# KiCad board cm4-baseboard.kicad_pcb (continued)
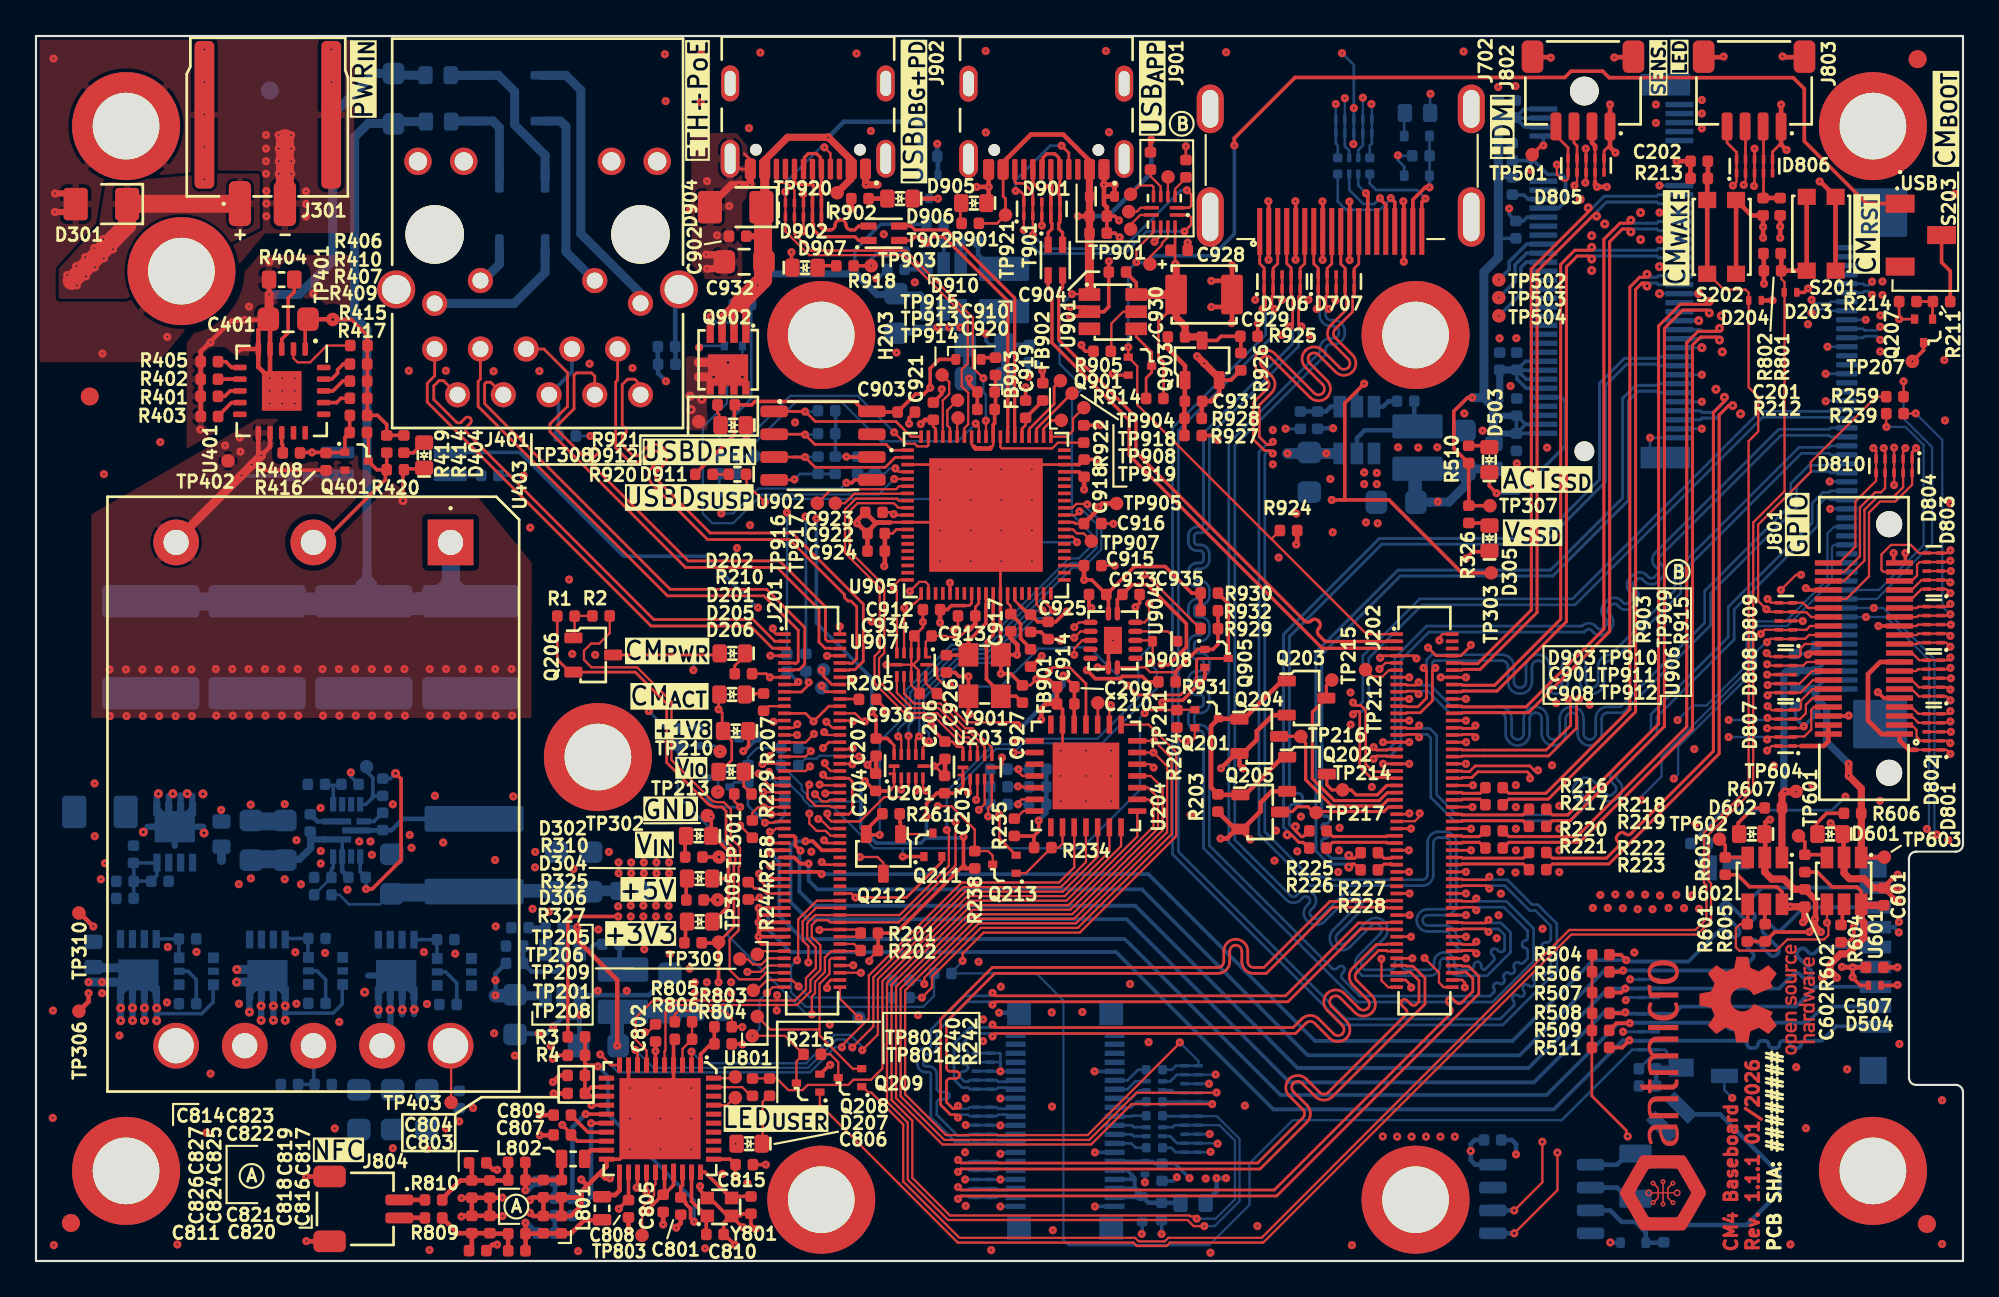
[diagram p0: board, top side]
## Routing (per net, layer and track width the routed paths; a pad name or vN(x,y) marks a point on that pad's centre or on a via; arc(x,y) is an arc through that point) (continued)
/Compute module/SDIO.D3: length 73.8
  Top w0.21: J201.61 40.96,22.8 v1(40.79,22.63) ; 87.36,12.8 87.76,13.2 v1(88.5,13.2)
  Bottom w0.21: v1(40.79,22.63) 41.27,22.14 41.27,19.15 42.55,17.87 60.45,17.87 69.11,9.22 83.88,9.22 87.85,13.18 88.48,13.18 v1(88.5,13.2) 88.52,13.22 93.04,13.22 arc(93.17,13.28) 93.22,13.41 arc(93.27,13.53) 93.4,13.59 93.75,13.59 arc(93.88,13.53) 93.93,13.41 93.93,13.04 arc(93.98,12.92) 94.11,12.87 94.46,12.87 arc(94.59,12.92) 94.64,13.04 arc(94.69,13.17) 94.82,13.22 98.35,13.22 99.25,14.13 J502.2
/Compute module/SYNC_IN: length 1.5
  Top w0.15: TP203.1 43.73,32.45 44.19,32 J201.16
  vias: v1(43.62,32.8)
/Compute module/SYNC_OUT: length 1.1
  Top w0.15: J201.18 43.85,31.6 TP204.1
  vias: v1(43.62,31.92)
/Compute module/T1_N: length 2
  Top w0.17: J202.48 79.16,25.6 79.2,25.64 80.18,25.64 80.49,25.32
/Compute module/T1_P: length 2
  Top w0.17: 80.49,26.28 80.18,25.96 79.98,25.96 79.2,25.96 79.16,26 J202.46
/Compute module/T2_N: length 2
  Top w0.17: 80.13,23.24 79.2,23.24 79.16,23.2 J202.60 ; 80.14,23.24 80.45,22.92
/Compute module/T2_P: length 2
  Top w0.17: J202.58 79.16,23.6 79.2,23.56 80.14,23.56 80.45,23.88
/Compute module/T3_N: length 1.2
  Top w0.17: J202.63 75.31,22.4 75.27,22.36 75.09,22.36 75.08,22.35 74.85,22.35 74.54,22.66 R227.1
/Compute module/T3_P: length 1.2
  Top w0.17: J202.65 75.31,22 75.27,22.04 75.21,22.04 75.2,22.03 74.85,22.03 74.54,21.72 R228.1
/Compute module/UART.0.RX: length 21.7
  Top w0.127: U905.8 47.91,42.21 47.8,42.32 45.52,42.32 44.92,41.72 44.92,39.3 46.85,37.38 46.85,33.85 46.56,33.57 46.56,32.07 48.47,30.16 49.94,30.16 51.29,28.81 51.69,28.81 51.87,28.63 U203.10
/Compute module/UART.0.TX: length 21.4
  Top w0.127: U203.9 52.27,28.58 51.79,29.07 51.4,29.07 50.05,30.42 48.57,30.42 46.81,32.18 46.81,33.46 47.1,33.75 47.1,37.48 45.17,39.41 45.17,41.62 45.63,42.07 47.63,42.07 47.89,41.81 U905.9
/Compute module/UART.1.RX: length 7.5
  Top w0.127: U203.8 52.67,28.54 51.9,29.32 51.5,29.32 50.12,30.7 48.65,30.7 47.8,31.54 U907.7
/Compute module/UART.1.TX: length 7.5
  Top w0.127: U203.7 53.08,28.49 52,29.57 51.6,29.57 50.23,30.95 48.75,30.95 48.2,31.5 U907.8
/Compute module/UART.2.RX: length 13.2
  Top w0.127: U905.36 55.55,36.45 v1(55.89,36.11) ; v1(49.03,29.13) 49.03,29.13 48.85,28.95 U201.8
  Bottom w0.127: v1(55.89,36.11) 55.53,36.11 52.87,33.45 51.15,33.45 49.05,31.35 49.05,29.15 49.03,29.14 v1(49.03,29.13)
/Compute module/UART.2.TX: length 13.8
  Top w0.127: v1(49.58,28.85) 49.25,28.52 U201.7 ; v1(56.46,36.13) 56.46,36.13 55.95,36.63 U905.37
  Bottom w0.127: v1(49.58,28.85) 49.58,29.3 49.3,29.58 49.3,31.25 51.25,33.2 52.98,33.2 55.45,35.67 56.09,35.67 56.46,36.04 v1(56.46,36.13)
/Compute module/UART.3.RX: length 21
  Top w0.127: v1(47.88,29.12) 48.05,28.95 U201.10 ; v1(57.94,41.61) 57.73,41.41 U905.48
  Bottom w0.127: v1(57.94,41.61) 58.19,41.61 58.9,40.9 58.9,39.6 58.05,38.75 57.45,38.75 52.66,33.96 50.94,33.96 48.54,31.56 48.54,30.19 47.88,29.52 v1(47.88,29.12)
/Compute module/UART.3.TX: length 21.4
  Top w0.127: v1(58.38,42) 58.35,42.03 57.77,42.03 57.55,41.81 U905.49 ; U201.9 v1(48.45,29.15)
  Bottom w0.127: v1(58.38,42) 58.38,41.78 59.15,41.01 59.15,39.49 58.15,38.49 57.56,38.49 52.77,33.7 51.04,33.7 48.8,31.46 48.8,30.08 48.45,29.74 v1(48.45,29.15)
/Compute module/USB.D_N: length 31.7
  Top w0.182: 75.01,34.39 75.02,34.4 J202.3 75.03,34.4 75.02,34.39 71.58,34.39 71.23,34.73 arc(71.15,34.93) 71.23,35.12 arc(71.31,35.32) 71.23,35.51 71.2,35.55 arc(71,35.63) 70.81,35.55 arc(70.62,35.47) 70.42,35.55 61.08,44.89 61.08,46.84 56.79,51.13 56.79,53.83 57,54.04 T901.3
/Compute module/USB.D_P: length 31.1
  Top w0.182: T901.2 56.2,54.04 56.41,53.83 56.41,50.97 60.7,46.68 60.7,44.73 71.42,34.01 75.02,34.01 75.03,34 J202.5
/Compute module/USB.OTGID: length 85.7
  Top w0.127: 68.61,40.06 68.61,40.09 R924.2 ; 68.61,40.06 61.15,47.53 61.15,49.68 Q901.1 ; 68.61,40.06 73.88,34.8 J202.1 ; v1(61.1,55.45) 61.1,56.15 62.05,57.11 62.05,57.44
  Top w0.15: Q901.1 v1(60.65,50.72)
  Top w0.2: S203.1 101.65,58.7 98.19,62.16 98.19,65.07 97.57,65.69 87.35,65.69 86.99,66.05 85.24,66.05 84.89,65.7 69.91,65.7 66.54,62.33 v1(66.54,61.93)
  Bottom w0.15: v1(61.1,55.45) 60.65,55 v1(60.65,50.72)
  Bottom w0.2: v1(61.1,55.45) 61.12,55.42 61.7,55.42 62.07,55.8 65.32,55.8 66.54,57.02 v1(66.54,61.93)
/Compute module/USBA_VBUS: length 66.7
  Top w0.127: v1(57.52,53.67) 58.47,53.67
  Top w0.15: J901.A9 53.7,59.1 53.83,58.97 TP921.1 53.37,57.6 52.36,57.6
  Top w0.2: 46.15,23.65 v1(46.85,23.65) ; 46.99,24.82 46.1,23.94
  Top w0.254: J901.A4 58.5,61.08 57.05,62.53 55.24,62.53 53.7,60.99 ; 58.5,58 v1(57.85,58) ; R903.1 61.88,62.2 v1(61.93,62.25)
  Top w0.4: 58.5,57.06 58.5,60.6
  Top w0.5: U901.1 58.49,57.06
  Bottom w0.127: v1(46.85,23.65) 46.85,28.85 48.29,30.29 48.29,31.67 50.83,34.21 52.56,34.21 57.35,39 57.9,39 58.65,39.75 58.65,40.33 57.78,41.2 57.77,41.2 57.52,41.44 57.52,47.86 58.15,48.49 56.84,49.8 56.84,52.99 v1(57.52,53.67)
  Bottom w0.254: v1(61.93,62.25) 61.93,60.41 59.52,58 v1(57.85,58)
/Compute module/VDAC_COMP: length 2
  Top w0.127: J202.11 75.12,32.8 74.77,32.45 74.2,32.45 TP212.1
/Compute module/WL_nDis: length 1.3
  Top w0.127: 40.23,17.2 J201.89
/Compute module/~{EEPROM_WP}: length 1
  Top w0.15: J201.20 45.67,31.2
/Compute module/~{POE EN}: length 43.1
  Top w0.15: v1(56.25,32.75) 56.45,32.95 57.4,32.95 58.3,32.05 U204.4
  In2.Cu w0.2: v1(56.25,32.75) 55.86,33.14 48.01,33.14 44.88,36.27 v1(40.09,36.27)
  Bottom w0.2: U402.1 26.86,44.88 32.62,39.12 37.17,39.12 40.03,36.27 v1(40.09,36.27)
/Compute module/~{PWR_LED}: length 29.5
  Top w0.127: J201.95 40.55,16 40.18,15.63 39.04,15.63 38.51,16.16 38.51,17.85 39.01,18.35 39.01,21.87 39.09,21.94 39.09,22.96 38.58,23.47 38.58,25.08 38.19,25.47 37.84,25.47 arc(37.64,25.51) 37.46,25.63 35.28,27.81 35.28,31.05 33.38,32.95 30.85,32.95 30.43,33.37 30.43,33.88 30.83,34.28 31.27,34.28 31.86,34.85 R2.1
/Compute module/~{RPi_BOOT}: length 107.8
  Top w0.127: v1(39.5,16.05) 40.24,16.05 40.59,16.4 J201.93
  Top w0.2: Q207.3 104.81,50.56 v1(104.19,49.94)
  In2.Cu w0.127: v1(104.19,49.94) 104.81,49.32 104.81,45.3 104.81,45.3 104.81,44.13 103.32,42.64 102.73,42.64 98.81,38.72 98.81,29.64 98.12,28.95 98.12,25.76 95.55,23.18 95.55,11.3 91.69,7.44 66,7.44 63.58,9.86 49.71,9.86 46.49,13.09 45.4,13.09 43.67,14.82 41.94,14.82 41.47,15.29 40.25,15.29 39.5,16.04 v1(39.5,16.05)
/Compute module/~{RPi_RST}: length 8.8
  Top w0.127: Q208.3 42.22,11.08 42.61,11.47 41.59,12.5 v1(39.77,12.5) ; J201.99 40.91,15.2 v1(40.58,14.88)
  Bottom w0.127: v1(40.58,14.88) 40.17,14.47 40.17,12.9 v1(39.77,12.5)
/CSI/CamCtrl.EN: length 57.1
  Top w0.127: v1(62.06,27.39) 61.88,27.57 U204.26 ; R601.2 94.63,18.7 94.39,18.46 94.39,17.42 94.58,17.23 96.63,17.23 97.25,17.85 99.28,17.85 99.53,18.09 99.53,18.7 v1(99.45,18.78) 99.45,19.8
  Top w0.2: U602.4 95.05,18.73
  In2.Cu w0.127: v1(62.06,27.39) 62.06,25.23 71.43,15.86 81.07,15.86 v1(83.66,18.44)
  In3.Cu w0.127: v1(83.66,18.44) 84,18.79 95.6,18.79 96.63,17.76 99.21,17.76 99.53,18.07 99.53,18.43 99.45,18.51 v1(99.45,18.78)
/CSI/CamCtrl.VSYNC0: length 83.6
  Top w0.127: U204.27 v1(62.05,28.22) 62.81,27.47 62.81,23.8 57.75,18.74 52.36,18.74 52.33,18.72 52.32,18.72 49.33,15.72 v1(49.33,15.38)
  In2.Cu w0.127: v1(91.15,30.03) 91.15,27.74 89.69,26.28 89.69,25.43 84.88,20.62 84.88,20.36 80.63,16.11 71.54,16.11 62.53,25.12 62.53,27.75 v1(62.05,28.22)
  Bottom w0.127: v1(49.33,15.38) 49.12,15.58 48.5,15.58 ; J601.32 99.83,40.75 99.47,40.39 99.47,37.84 97.13,35.5 95.5,35.5 94.99,34.99 94.99,33.07 92.76,30.84 91.96,30.84 v1(91.15,30.03)
/CSI/CamCtrl.VSYNC1: length 83.6
  Top w0.127: v1(49.19,14.62) 49.75,15.18 49.75,15.78 52.46,18.49 57.85,18.49 63.06,23.7 63.06,27.91 v1(62.09,28.88) U204.28
  In2.Cu w0.127: v1(62.09,28.88) 62.78,28.19 62.78,25.22 71.64,16.36 80.53,16.36 84.63,20.46 84.63,20.72 89.15,25.24 v1(89.15,25.59)
  Bottom w0.127: v1(89.15,25.59) 89.15,25.78 90.26,26.9 90.26,27.99 95.24,32.96 95.24,34.88 95.6,35.25 97.24,35.25 99.73,37.73 99.73,39.62 99.85,39.75 J601.34 ; v1(49.19,14.62) 48.5,14.62
/CSI/CSI0.CLK_N: length 41.2
  Top w0.15: v1(83.4,27.24) 83.19,27.24 82.95,27.48 79.91,27.48 79.6,27.17 79.2,27.17 79.16,27.2 J202.40
  In2.Cu w0.138: v1(83.4,27.24) 83.4,27.13 83.88,26.65 84.48,26.65 88.09,30.26 88.09,33.02 99.86,44.8 99.86,49.68 101.92,51.74 102.27,51.74 v1(102.4,51.86)
  Bottom w0.15: v1(102.4,51.86) 102.2,51.67 101.54,51.67 101.45,51.75 J601.10
/CSI/CSI0.CLK_P: length 41.3
  Top w0.15: v1(82.96,26.79) 82.96,27.01 82.81,27.15 80.05,27.15 79.73,26.84 79.2,26.84 79.16,26.8 J202.42
  In2.Cu w0.138: v1(82.96,26.79) 83.07,26.79 83.68,26.18 84.68,26.18 88.56,30.06 88.56,32.83 100.34,44.6 100.34,49.48 102.12,51.26 102.27,51.26 v1(102.4,51.13)
  Bottom w0.15: v1(102.4,51.13) 102.2,51.33 101.54,51.33 101.45,51.25 J601.11
/CSI/CSI0.D0_N: length 40.9
  Top w0.15: v1(79.92,29.72) 79.77,29.57 79.45,29.57 79.2,29.56 79.16,29.6 J202.28
  In2.Cu w0.138: v1(79.92,29.72) 80.01,29.64 81.37,29.64 83.49,31.76 83.49,34.92 87.2,38.64 arc(87.26,38.78) 87.2,38.93 87.03,39.09 arc(86.83,39.57) 87.03,40.06 87.11,40.14 arc(87.6,40.33) 88.08,40.14 88.24,39.97 arc(88.39,39.91) 88.53,39.97 88.62,40.05 arc(88.68,40.2) 88.62,40.34 88.45,40.51 arc(88.25,40.99) 88.45,41.47 88.53,41.55 arc(89.01,41.75) 89.49,41.55 89.66,41.38 arc(89.8,41.32) 89.95,41.38 90.03,41.46 arc(90.09,41.61) 90.03,41.76 89.86,41.92 arc(89.66,42.4) 89.86,42.88 89.94,42.96 arc(90.42,43.16) 90.9,42.96 91.07,42.8 arc(91.22,42.74) 91.36,42.8 95.56,47 95.56,51.52 97.27,53.23 98.46,53.23 v1(98.59,53.36)
  Bottom w0.138: v1(98.59,53.36) 98.8,53.15 99.43,53.15 99.43,53.16 99.56,53.16 99.65,53.25 J601.7
/CSI/CSI0.D0_P: length 40.9
  Top w0.15: v1(79.92,29.07) 79.77,29.23 79.58,29.23 79.58,29.23 79.2,29.23 79.16,29.2 J202.30
  In2.Cu w0.138: v1(98.59,52.63) 98.46,52.76 97.47,52.76 96.04,51.33 96.04,46.8 91.7,42.46 arc(91.22,42.26) 90.74,42.46 90.57,42.63 arc(90.42,42.69) 90.28,42.63 90.2,42.55 arc(90.14,42.4) 90.2,42.26 90.36,42.09 arc(90.56,41.61) 90.36,41.13 90.28,41.05 arc(89.8,40.85) 89.32,41.05 89.16,41.22 arc(89.01,41.28) 88.86,41.22 88.78,41.13 arc(88.72,40.99) 88.78,40.84 88.95,40.68 arc(89.15,40.2) 88.95,39.72 88.87,39.63 arc(88.39,39.44) 87.91,39.63 87.74,39.8 arc(87.6,39.86) 87.45,39.8 87.37,39.72 arc(87.31,39.57) 87.37,39.43 87.54,39.26 arc(87.73,38.78) 87.54,38.3 87.25,38.02 83.96,34.73 83.96,31.56 81.56,29.16 80.01,29.16 v1(79.92,29.07)
  Bottom w0.138: v1(98.59,52.63) 98.8,52.84 99.55,52.84 99.56,52.84 99.56,52.84 99.65,52.75 J601.8
/CSI/CSI0.D1_N: length 41.3
  Top w0.15: v1(85.06,31.21) 85.21,31.06 85.21,29.72 83.86,28.36 79.2,28.36 79.16,28.4 J202.34
  In2.Cu w0.138: v1(85.06,31.21) 85.14,31.28 85.14,33.41 85.71,33.97 85.71,33.98 98.37,46.65 98.37,48.53 97.55,49.35 97.55,50.41 101.38,54.24 101.82,54.24 v1(101.95,54.36)
  Bottom w0.15: J601.5 101.45,54.25 101.54,54.16 101.75,54.16 v1(101.95,54.36)
/CSI/CSI0.D1_P: length 41.3
  Top w0.15: J202.36 79.16,28 79.2,28.03 83.99,28.03 85.54,29.58 85.54,31.06 v1(85.69,31.21)
  In2.Cu w0.138: v1(101.95,53.63) 101.82,53.76 101.58,53.76 101.18,53.37 arc(101.15,53.3) 101.18,53.23 arc(101.21,53.15) 101.18,53.08 101.14,53.04 arc(101.07,53.01) 100.99,53.04 arc(100.92,53.07) 100.85,53.04 98.03,50.21 98.03,49.55 98.85,48.73 98.85,46.44 86.2,33.79 86.19,33.79 85.61,33.21 85.61,31.29 v1(85.69,31.21)
  Bottom w0.15: J601.6 101.45,53.75 101.54,53.83 101.75,53.83 v1(101.95,53.63)
/CSI/CSI1.CLK_N: length 41.4
  Top w0.15: J202.27 76.08,29.6 76.12,29.56 76.64,29.56 v1(76.8,29.72)
  Bottom w0.15: v1(76.8,29.72) 76.96,29.56 77.39,29.56 77.77,29.18 77.77,25.88 78.89,24.76 85.08,24.76 85.61,25.29 arc(85.67,25.46) 85.61,25.63 85.51,25.73 arc(85.34,26.12) 85.51,26.52 85.65,26.67 arc(86.05,26.83) 86.45,26.67 87.21,25.9 arc(87.38,25.83) 87.54,25.9 87.68,26.04 arc(87.75,26.21) 87.68,26.38 87.59,26.47 arc(87.42,26.87) 87.59,27.27 89.68,29.36 89.68,30.34 93.96,34.63 93.96,36.31 98.62,40.97 98.62,42.07 99.22,42.67 99.56,42.67 99.65,42.75 J601.28
/CSI/CSI1.CLK_P: length 41.4
  Top w0.15: v1(76.8,29.07) 76.64,29.23 76.12,29.23 76.08,29.2 J202.29
  Bottom w0.15: v1(76.8,29.07) 76.96,29.23 77.25,29.23 77.44,29.04 77.44,25.74 78.75,24.44 85.21,24.44 85.84,25.06 arc(86,25.46) 85.84,25.86 85.74,25.96 arc(85.67,26.12) 85.74,26.29 85.88,26.43 arc(86.05,26.5) 86.21,26.43 86.98,25.67 arc(87.38,25.5) 87.78,25.67 87.92,25.81 arc(88.08,26.21) 87.92,26.61 87.82,26.71 arc(87.75,26.87) 87.82,27.04 90.01,29.23 90.01,30.21 94.3,34.5 94.3,36.17 98.95,40.83 98.95,41.93 99.36,42.34 99.56,42.34 99.65,42.25 J601.29
/CSI/CSI1.D0_N: length 41.5
  Top w0.15: v1(76.77,32.12) 76.62,31.96 76.12,31.96 76.08,32 J202.15
  Bottom w0.135: v1(76.77,32.12) 76.93,31.97
  Bottom w0.15: v1(76.77,32.12) 76.93,31.96 77.42,31.96 78.62,30.76 81.27,30.76 arc(81.74,30.57) 81.94,30.1 81.94,29.28 arc(82.03,29.04) 82.27,28.94 arc(82.51,29.04) 82.61,29.28 82.61,30.1 arc(82.8,30.57) 83.27,30.76 arc(83.74,30.57) 83.94,30.1 83.94,29.28 arc(84.03,29.04) 84.27,28.94 arc(84.51,29.04) 84.61,29.28 84.61,30.1 arc(84.8,30.57) 85.27,30.76 arc(85.74,30.57) 85.94,30.1 85.94,29.28 arc(86.03,29.04) 86.27,28.94 arc(86.51,29.04) 86.61,29.28 86.61,30.1 arc(86.8,30.57) 87.27,30.76 87.99,30.76 92.65,35.43 92.65,37.2 97.43,41.98 97.43,43.16 98.44,44.17 99.57,44.17 99.65,44.25 J601.25
/CSI/CSI1.D0_P: length 41.5
  Top w0.15: v1(76.77,31.47) 76.62,31.63 76.12,31.63 76.08,31.6 J202.17
  Bottom w0.135: v1(76.77,31.47) 76.93,31.63
  Bottom w0.15: J601.26 99.65,43.75 99.57,43.84 98.58,43.84 97.77,43.02 97.77,41.84 92.98,37.06 92.98,35.29 88.13,30.44 87.27,30.44 arc(87.03,30.34) 86.94,30.1 86.94,29.28 arc(86.74,28.81) 86.27,28.61 arc(85.8,28.81) 85.61,29.28 85.61,30.1 arc(85.51,30.34) 85.27,30.44 arc(85.03,30.34) 84.94,30.1 84.94,29.28 arc(84.74,28.81) 84.27,28.61 arc(83.8,28.81) 83.61,29.28 83.61,30.1 arc(83.51,30.34) 83.27,30.44 arc(83.03,30.34) 82.94,30.1 82.94,29.28 arc(82.74,28.81) 82.27,28.61 arc(81.8,28.81) 81.61,29.28 81.61,30.1 arc(81.51,30.34) 81.27,30.44 78.48,30.44 77.28,31.63 76.93,31.63 v1(76.77,31.47)
/CSI/CSI1.D1_N: length 41.4
  Top w0.15: J202.21 76.08,30.8 76.12,30.76 76.73,30.76 77.21,31.24 77.21,32.77 v1(77.05,32.92)
  Bottom w0.15: J601.23 99.65,45.25 99.56,45.16 97.89,45.16 90.99,38.27 90.99,37.22 87.43,33.66 87.4,33.66 arc(86.93,33.46) 86.73,32.99 86.73,32.15 arc(86.64,31.92) 86.4,31.82 arc(86.16,31.92) 86.06,32.15 86.06,32.99 arc(85.87,33.46) 85.4,33.66 arc(84.93,33.46) 84.73,32.99 84.73,32.15 arc(84.64,31.92) 84.4,31.82 arc(84.16,31.92) 84.06,32.15 84.06,32.99 arc(83.87,33.46) 83.4,33.66 arc(82.93,33.46) 82.73,32.99 82.73,32.15 arc(82.64,31.92) 82.4,31.82 arc(82.16,31.92) 82.06,32.15 82.06,32.99 arc(81.87,33.46) 81.4,33.66 77.5,33.66 77.21,33.36 77.21,33.09 v1(77.05,32.92)
/CSI/CSI1.D1_P: length 41.4
  Top w0.15: v1(77.7,32.92) 77.54,32.77 77.54,31.11 76.87,30.44 76.12,30.44 76.08,30.4 J202.23
  Bottom w0.15: J601.24 99.65,44.75 99.56,44.84 98.03,44.84 91.33,38.13 91.33,37.08 87.57,33.32 87.4,33.32 arc(87.16,33.23) 87.06,32.99 87.06,32.15 arc(86.87,31.68) 86.4,31.49 arc(85.93,31.68) 85.73,32.15 85.73,32.99 arc(85.64,33.23) 85.4,33.32 arc(85.16,33.23) 85.06,32.99 85.06,32.15 arc(84.87,31.68) 84.4,31.49 arc(83.93,31.68) 83.73,32.15 83.73,32.99 arc(83.64,33.23) 83.4,33.32 arc(83.16,33.23) 83.06,32.99 83.06,32.15 arc(82.87,31.68) 82.4,31.49 arc(81.93,31.68) 81.73,32.15 81.73,32.99 arc(81.64,33.23) 81.4,33.32 77.64,33.32 77.54,33.23 77.54,33.09 v1(77.7,32.92)
/CSI/CSI1.D2_N: length 41.4
  Top w0.15: J202.33 75.03,28.4 75,28.36 74.43,28.36 v1(74.27,28.52)
  Bottom w0.15: J601.21 99.65,46.25 99.56,46.16 96.76,46.16 90.15,39.55 89.91,39.31 arc(89.75,38.93) 89.91,38.55 90.02,38.43 arc(90.09,38.28) 90.02,38.13 89.85,37.96 arc(89.7,37.9) 89.55,37.96 89.43,38.07 arc(89.05,38.23) 88.67,38.07 88.49,37.9 arc(88.34,37.51) 88.49,37.13 88.61,37.02 arc(88.67,36.87) 88.61,36.72 88.43,36.54 arc(88.29,36.48) 88.14,36.54 88.02,36.66 arc(87.64,36.82) 87.26,36.66 87.08,36.48 arc(86.92,36.1) 87.08,35.72 87.2,35.6 arc(87.26,35.45) 87.2,35.3 87.02,35.13 arc(86.87,35.07) 86.72,35.13 86.61,35.25 arc(86.22,35.4) 85.84,35.25 77.21,35.25 75.45,33.49 75.45,28.76 75.06,28.36 74.43,28.36 v1(74.27,28.52)
/CSI/CSI1.D2_P: length 41.4
  Top w0.15: v1(74.27,27.87) 74.43,28.03 75,28.03 75.03,28 J202.35
  Bottom w0.15: v1(74.27,27.87) 74.43,28.03 75.2,28.03 75.78,28.62 75.78,33.35 77.35,34.91 85.98,34.91 86.07,35.01 arc(86.22,35.07) 86.37,35.01 86.49,34.89 arc(86.87,34.74) 87.25,34.89 87.43,35.07 arc(87.59,35.45) 87.43,35.84 87.31,35.95 arc(87.25,36.1) 87.31,36.25 87.49,36.43 arc(87.64,36.49) 87.79,36.43 87.9,36.31 arc(88.29,36.15) 88.67,36.31 88.84,36.49 arc(89,36.87) 88.84,37.25 88.73,37.37 arc(88.67,37.51) 88.73,37.66 88.9,37.84 arc(89.05,37.9) 89.2,37.84 89.32,37.72 arc(89.7,37.57) 90.08,37.72 90.26,37.9 arc(90.42,38.28) 90.26,38.66 90.14,38.78 arc(90.08,38.93) 90.14,39.08 90.38,39.32 96.9,45.84 99.56,45.84 99.65,45.75 J601.22
/CSI/CSI1.D3_N: length 41.6
  Top w0.15: J202.39 75.03,27.2 75,27.17 74.25,27.17 73.83,27.58 73.83,30.57 73.56,30.84 73.29,30.84 v1(73.13,31)
  Bottom w0.15: J601.19 99.65,47.25 99.56,47.16 95.73,47.16 85.32,36.75 76.83,36.75 73.67,33.6 73.67,31.05 73.47,30.84 73.29,30.84 v1(73.13,31)
/CSI/CSI1.D3_P: length 41.6
  Top w0.15: J202.41 75.03,26.8 75,26.84 74.11,26.84 73.5,27.44 73.5,30.43 73.43,30.51 73.29,30.51 v1(73.13,30.35)
  Bottom w0.15: v1(73.13,30.35) 73.29,30.51 73.6,30.51 74,30.91 74,33.46 76.97,36.42 85.46,36.42 95.87,46.84 99.56,46.84 99.65,46.75 J601.20
/CSI/CSI_3V3: length 18.3
  Top w0.4: U602.1 96.95,25.14 96.95,25.15 96.95,25.9 ; 96.95,25.9 v1(97.13,26.07) ; 96.95,25.9 97.1,26.05 v1(97.71,26.05)
  Bottom w0.2: D603.1 99.33,33.25 J601.47
  Bottom w0.254: 97.67,32.77 98.78,32.77 ; J601.48 98.8,32.75
  Bottom w0.4: D603.1 97.68,32.77 97.65,32.74 97.21,32.74 97.05,32.59 97.05,26.15 v1(97.13,26.07) 97.15,26.05 v1(97.71,26.05)
/CSI/CSI_5V: length 23.2
  Top w0.254: 100.72,26.86 101.35,26.24 U601.1 102.62,22.4 TP603.1
  Top w0.4: U601.1 101.36,22.41 101.36,26.23 v1(100.65,26.93) ; 100.65,27.59 100.65,26.93
  Bottom w0.2: J601.49 99.3,32.25 D604.1
  Bottom w0.254: 98.77,31.72 97.76,31.72 ; 98.8,31.4 D604.1 ; J601.50 98.85,31.75
  Bottom w0.4: v1(100.65,26.93) v1(100.65,27.6) 99.42,28.82 99.42,30.67 98.8,31.29 D604.1 97.71,31.75 97.7,31.76
/CSI/I_{2}C1.SCL: length 207.3
  Top w0.127: v3(82.08,2.81) 83.64,4.37 v3(83.64,6.62) ; v1(41.15,14.75) 41.15,14.75 41.15,14.46 ; v1(94.23,59.7) 94.42,59.9 94.42,60.39 ; 41.15,14.46 42.14,14.46 42.75,15.07 42.75,15.7 43.3,16.25 43.3,17.42 42.82,17.9 42.82,18.75 43.27,19.2 J201.80 47.95,19.2 50.69,21.94 50.69,23.81 v1(50.57,23.93) ; 41.15,14.46 34.26,14.46 33.3,13.5 33.3,12.29 33.9,11.68 U801.7 ; v1(54.27,28.88) U204.8 ; D805.1 85.07,60.07 84.97,59.97 84.8,59.97 84.45,60.33 v1(84.45,60.86) ; v1(61.8,36.5) 61.8,35.7 61.55,35.45 U904.13
  Top w0.15: 93.9,62.95 93.9,62.07 94.42,61.55 D806.10 94.42,60.39 ; 84.4,62.47 85.07,61.8 D805.10 D805.1
  In2.Cu w0.127: v1(65.61,6.51) 62.94,6.51 62.36,7.09 51.44,7.09 45.98,12.55 42.83,12.55 41.55,13.84 41.55,14.35 v1(41.15,14.75)
  In3.Cu w0.127: v1(94.23,59.7) 94.31,59.78 94.31,60.15 ; 94.31,60.15 98.05,60.15 105.14,53.06 105.14,43.18 104.5,42.54 104.5,38.12 102.13,35.75 v1(101.61,35.75) ; 94.31,60.15 88.07,60.15 87.36,60.86 v1(84.45,60.86) ; v1(105,23.98) 104.84,23.82 104.12,23.82 101.56,21.25 101.56,13.16 96.23,7.83 86,7.83 84.79,6.62 v3(83.64,6.62) 83.21,6.62 82,7.83 66.93,7.83 v1(65.61,6.51)
  Bottom w0.127: v1(105,23.98) 105.11,24.09 105.11,33.36 102.72,35.75 v1(101.61,35.75) 101.49,35.75 101.49,35.75 J601.42 ; v1(61.8,36.5) 61.8,34.04 61.21,33.45 61.21,31.27 58.93,28.99 54.39,28.99 v1(54.27,28.88) 54.08,28.68 53.18,28.68 50.57,26.07 v1(50.57,23.93) ; v1(65.61,6.51) 65.58,6.54 D704.9
  Bottom w0.15: D704.9 63.78,6.54 ; D704.2 63.36,6.54 62.97,6.92 R705.7
  Bottom w0.254: v3(82.08,2.81) 82.08,2.81 U802.6
/CSI/I_{2}C1.SDA: length 202.4
  Top w0.127: 40.98,14.21 35.34,14.21 34.95,13.82 34.95,11.69 34.9,11.64 U801.5 ; 40.98,14.21 42.25,14.21 43,14.97 43,15.6 43.55,16.15 43.55,17.52 43.08,18 43.08,18.65 43.34,18.91 43.98,18.91 44.09,18.8 J201.82 47.91,18.8 51.06,21.95 v1(51.06,24.37) ; 40.98,14.21 41.13,14.21 v1(41.13,13.9) ; v1(85.42,59.7) 85.57,59.84 D805.2 ; 94.92,60.39 94.92,59.84 v1(94.83,59.74) ; U904.11 61.95,34.45 D908.2 62,33.27 v1(61.93,33.2) ; v3(84.48,6.02) 84.48,3.94 v3(82.08,1.54) ; v1(54.29,28.22) U204.9
  Top w0.15: 85.4,62.95 85.4,62.07 85.57,61.9 D805.9 85.57,60.43 ; D806.9 94.92,62.93 ; 94.92,60.39 94.92,61.16
  In2.Cu w0.127: v1(41.13,13.9) 42.73,12.3 45.88,12.3 51.33,6.84 62.25,6.84 63.03,6.06 v1(65.22,6.06)
  In3.Cu w0.127: 94.94,59.26 94.94,59.62 v1(94.83,59.74) ; 94.94,59.26 88.6,59.26 87.58,60.29 85.88,60.29 85.42,59.84 v1(85.42,59.7) ; 94.94,59.26 98.58,59.26 104.88,52.96 104.88,43.28 104.25,42.64 104.25,38.45 v1(102.05,36.25) ; v1(105.55,23.67) 105.44,23.57 104.23,23.57 101.81,21.15 101.81,13.05 96.33,7.57 86.55,7.57 84.99,6.02 v3(84.48,6.02) 83,6.02 81.44,7.57 67.31,7.57 65.8,6.06 v1(65.22,6.06)
  Bottom w0.127: v1(51.06,24.37) 51.06,26.19 53.29,28.43 54.09,28.43 v1(54.29,28.22) 54.8,28.74 59.19,28.74 62.22,31.78 62.22,32.79 61.93,33.08 v1(61.93,33.2) ; J601.41 v1(102.05,36.25) 102.58,36.25 105.41,33.42 105.41,23.81 v1(105.55,23.67) ; v1(65.22,6.06) 65.2,6.04 D704.10
  Bottom w0.15: D704.10 D704.1 63.27,6.04 63.03,6.29 R705.8
  Bottom w0.254: v3(82.08,1.54) 82.08,1.54 U802.5
/CSI/I_{2}C_CSI0.SCL: length 16.5
  Top w0.127: 103.7,47.98 v1(103.7,48.83)
  Bottom w0.127: v1(103.7,48.83) 103.7,46.77 105.29,45.18 105.29,39.82 102.22,36.75 J601.40
/CSI/I_{2}C_CSI0.SDA: length 14.1
  Top w0.127: v1(102.75,46.3) 102.73,46.31 102.73,47.04
  Bottom w0.127: J601.39 102.34,37.25 104.81,39.73 104.81,44.95 104.81,44.95 104.81,45.3 103.81,46.3 v1(102.75,46.3)
/Display/CEC: length 3.4
  Top w0.2: J702.13 73.95,59.18 v1(73.85,59.27)
  Bottom w0.15: v1(73.85,59.27) 73.42,59.7 R701.6
/Display/HPD: length 5.9
  Top w0.2: v1(77.15,58.97) 76.95,58.77 J702.19
  Bottom w0.15: v1(77.15,58.97) 76.67,59.45 74.42,59.45 74.06,59.81 R701.5
/Display/SCL: length 5
  Top w0.2: J702.15 74.95,58.64 74.65,58.94 74.65,58.97 v1(74.62,59)
  Bottom w0.15: R701.7 72.92,59.46 73.7,58.67 74.3,58.67 v1(74.62,59)
/Display/SDA: length 6.9
  Top w0.2: J702.16 75.45,58.77 v1(75.22,59)
  Bottom w0.15: v1(75.22,59) 75.22,58.96 74.61,58.35 72.75,58.35 72.28,58.82 R701.8
/Ethernet/AMPS_CTL: length 1.3
  Top w0.2: U401.8 10.78,48.3 10.48,48 10.11,48
/Ethernet/CLSA: length 4.1
  Top w0.2: R404.2 14.34,53.79 14,53.45 14,51.53 13.64,51.17 U401.3
/Ethernet/CLSB: length 1.3
  Top w0.2: U401.6 10.86,49.6 10.54,49.92 10.11,49.92
/Ethernet/DEN: length 4.1
  Top w0.127: 17.45,50.82 16.15,50.82 15.22,49.89 14.52,49.89 14.3,50.11 U401.2
/Ethernet/MPS_DUTY: length 1.5
  Top w0.2: 10.11,46.91 10.86,47.65 U401.9
/Ethernet/PAIR_12: length 15.6
  Bottom w0.5: J401.11 33.57,53.71 30.25,57.02 30.25,65 29.43,65.82 D401.3
/Ethernet/PAIR_36: length 10.6
  Bottom w0.5: D401.4 29.12,63.28 29.42,62.97 29.42,56.03 J401.12
/Ethernet/PAIR_78: length 2.2
  Bottom w0.5: 24.82,54.42 25.73,55.33 25.73,56.2
/Ethernet/PAIR_910: length 8.2
  Bottom w0.5: 28.27,56.2 28.27,54.87 26.56,53.16 J401.14
/Ethernet/PG: length 1.1
  Top w0.2: 13.7,44.86 13.7,45.31 13.64,45.36 U401.13
/Ethernet/POE_12V: length 14.8
  Top w0.127: TP403.1 23.05,11.92 23.02,11.95
  Bottom w0.35: Q305.5 18.45,15.84 ; Q305.5 19.02,14.86 19.02,13.62 ; Q305.5 20.99,14.85 20.99,13.7 ; 20.33,15.51 20.33,13.69 ; 19.68,15.52 19.68,12.41
  vias: v2(18.25,14.92) v2(19,13.94) v2(19.66,13.95) v2(20.34,13.95) v2(21,13.96)
/Ethernet/POE_ACTIVE: length 5.9
  Top w0.2: 14.62,44.88 v1(15.32,44.88) 16.11,44.88 ; Q401.1 17.15,45.72 17.41,45.99 17.41,46.76 ; 17.13,44.88 16.13,44.88
  Bottom w0.2: U402.4 v1(15.32,44.88)
/Ethernet/REF: length 1.2
  Top w0.2: 10.11,48.95 10.62,48.95 10.63,48.95 U401.7
/Ethernet/TPH: length 1.7
  Top w0.2: 17.42,48.84 17.03,48.84 16.49,48.3 U401.18
/Ethernet/TPL: length 1.5
  Top w0.2: 17.36,47.89 16.93,47.89 16.69,47.65 U401.17
/Ethernet/ULS-12_CTRL: length 8.9
  Top w0.2: 16,39.97 19.4,43.38 19.4,43.95 ; 19.46,43.92 18.93,43.92 Q401.3 18.45,45.88 ; 19.47,43.94 19.47,44.79
/Ethernet/~{BT}: length 1.9
  Top w0.2: 17.42,49.79 17.06,49.79 16.75,49.48 16.75,49.29 16.41,48.95 U401.19
/Peripherals/VLED: length 4.8
  Top w0.15: 95.92,62.92 D806.7 95.92,59.03
  Top w0.254: 96.85,59.01 95.9,59.01
/Supply/EN_3V3: length 5.2
  Bottom w0.127: 27.07,16.56 27.07,17.47
  Bottom w0.254: 27.06,17.48 27.06,16.53 27.52,16.07 28.9,16.07 29.24,16.41 U302.5
/Supply/EN_5V: length 1.9
  Bottom w0.2: U303.3 16.5,26.39 16.51,26.4 ; 16.51,26.4 16.05,26.4 ; 16.51,26.4 16.95,26.4
